# Altium PCB ARES_R06_Power.PcbDoc (part 1 of 4) (continued)
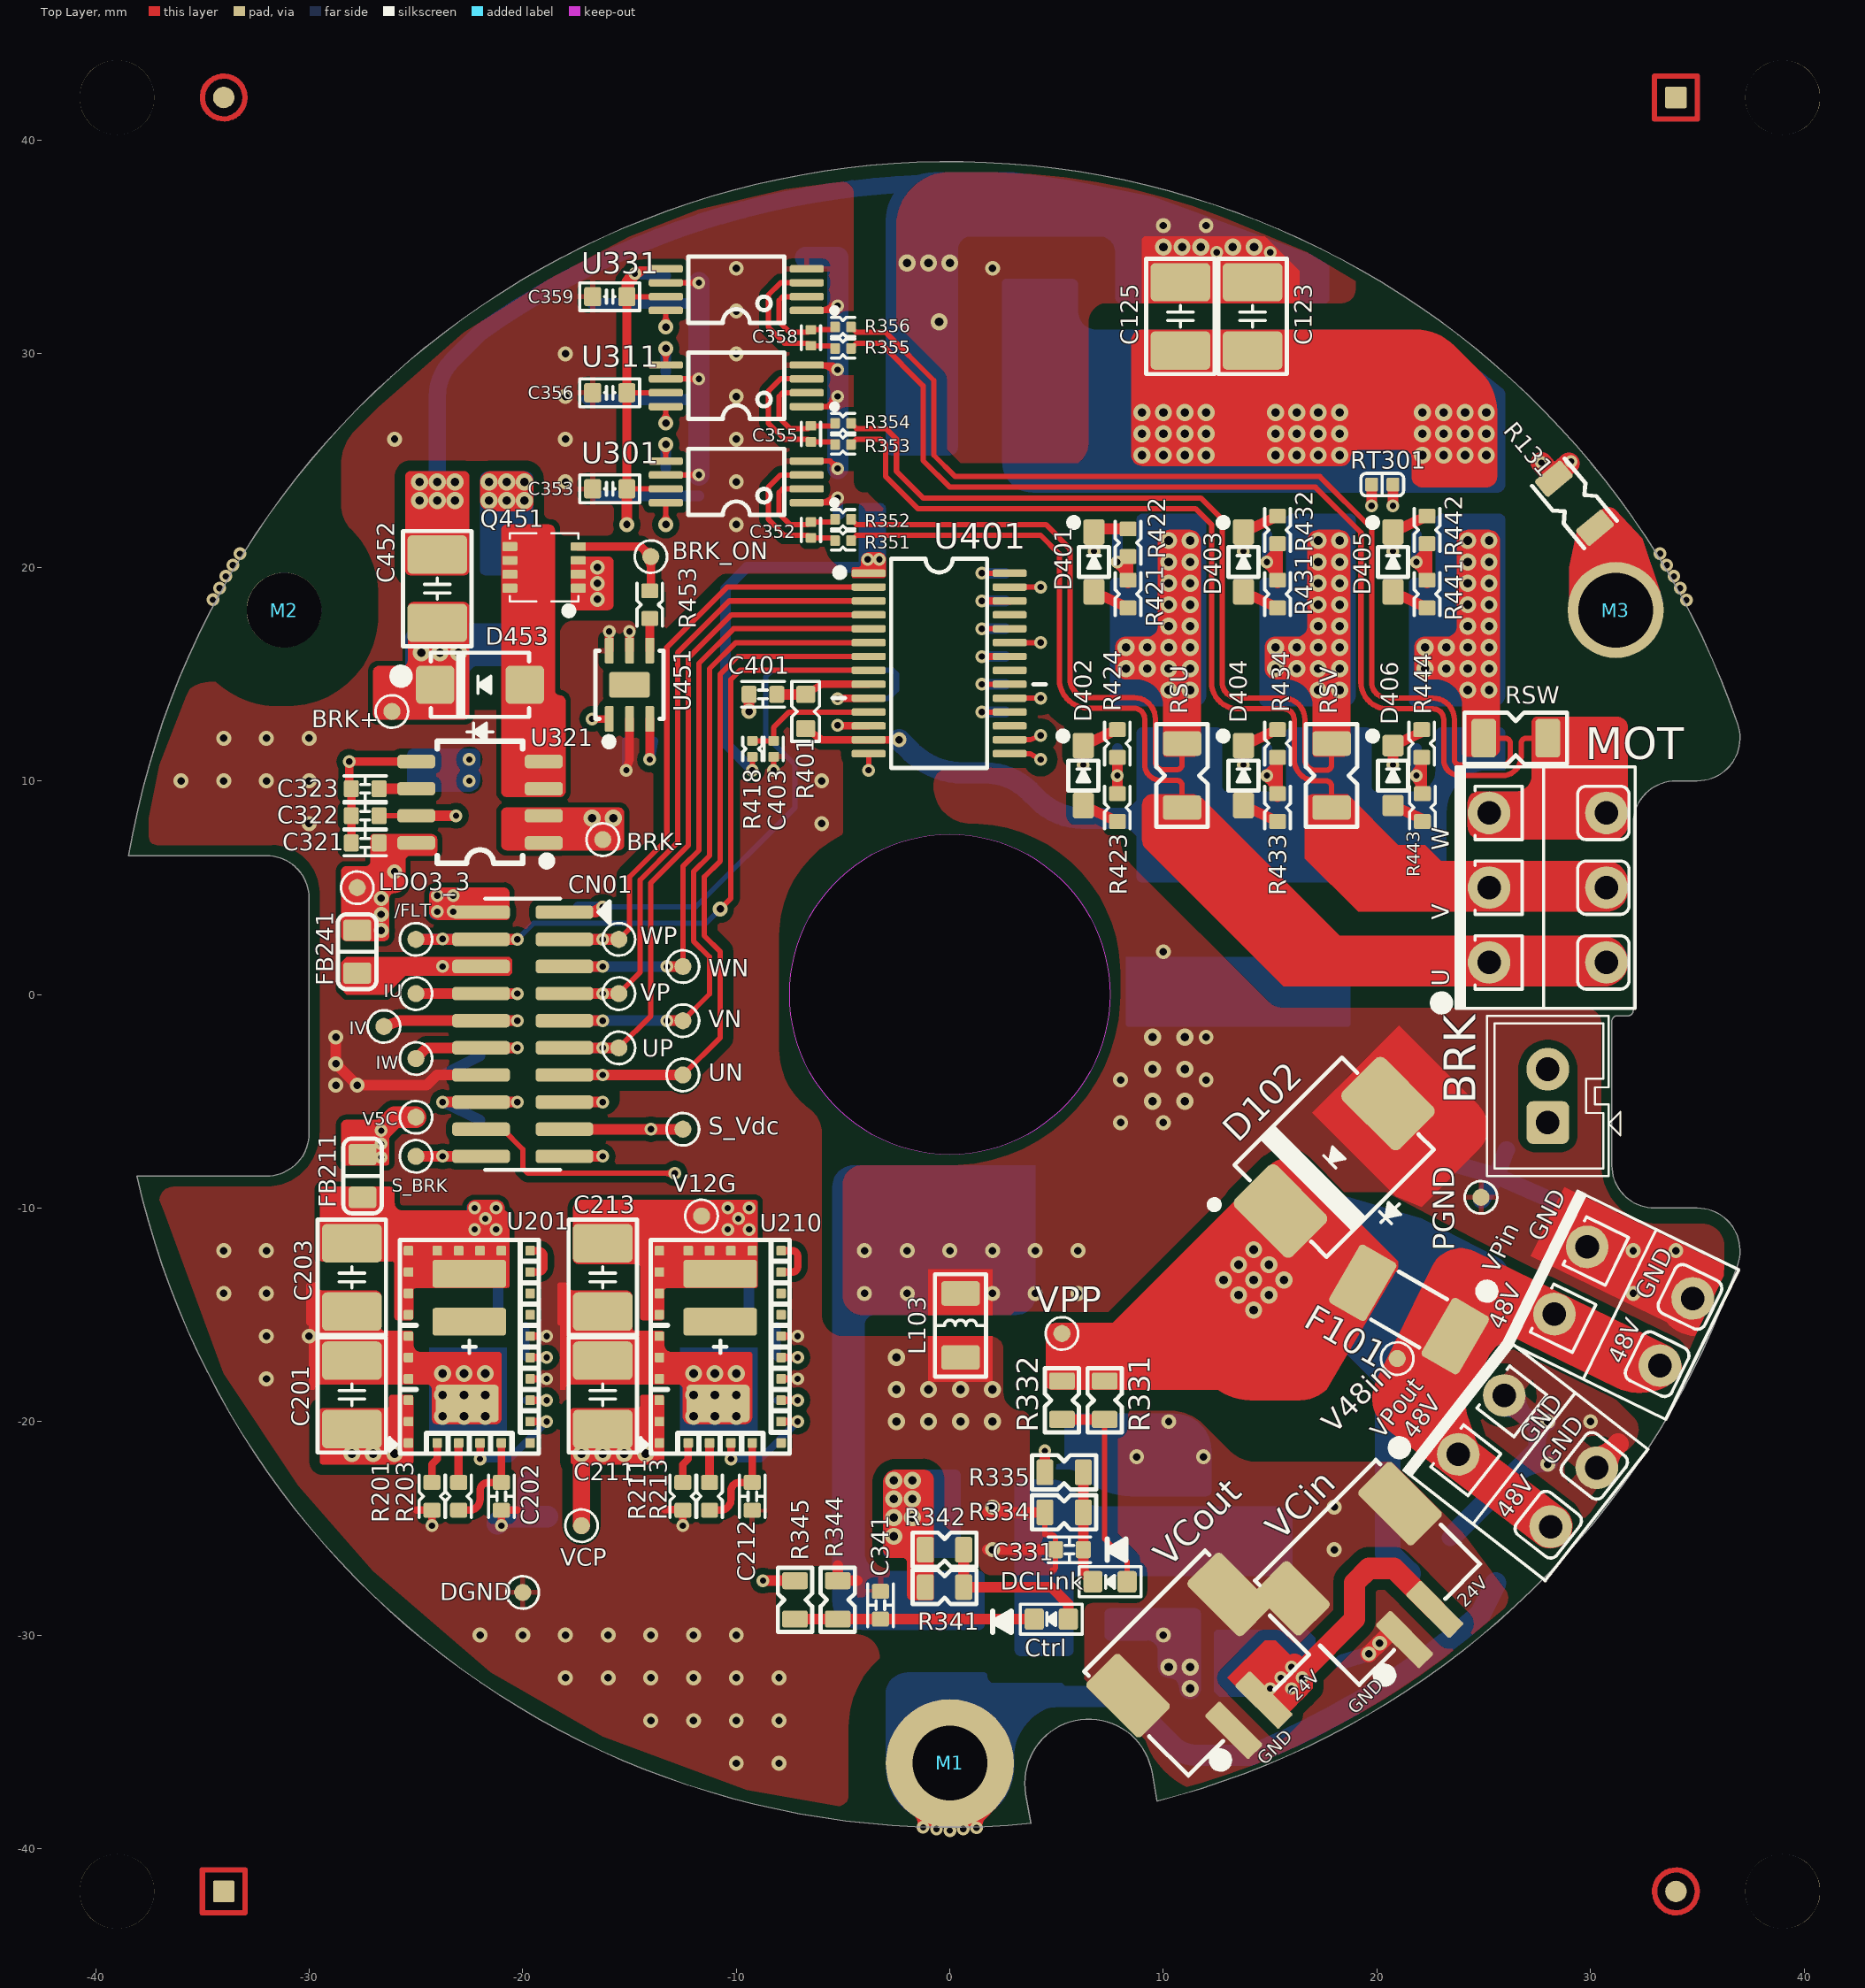
[diagram p0: Top Layer view]
## Classes and differential pairs (continued)
net class R131_Nets: FG1 PGND
net class R201_Nets: DGND NetR201_1
net class R202_Nets: DGND NetR202_1
net class R203_Nets: NetC202_1 NetR203_2
net class R204_Nets: NetC203_2 NetR204_2
net class R205_Nets: DGND NetR204_2
net class R211_Nets: DGND NetR211_1
net class R212_Nets: DGND NetR212_1
net class R213_Nets: NetC212_1 NetR213_2
net class R214_Nets: +12V NetR214_2
net class R215_Nets: DGND NetR214_2
net class R331_Nets: NetDCLink_1 V48P
net class R332_Nets: NetDCLink_1 V48P
net class R334_Nets: DGND NetC331_1
net class R335_Nets: AI_Vdc NetC331_1
net class R341_Nets: NetCtrl_1 V24C
net class R342_Nets: NetCtrl_1 V24C
net class R344_Nets: DGND NetC341_1
net class R345_Nets: AI_Vcon NetC341_1
net class R351_Nets: MOT_U NetC352_2
net class R352_Nets: NetC352_1 PH_U
net class R353_Nets: MOT_V NetC355_2
net class R354_Nets: NetC355_1 PH_V
net class R355_Nets: MOT_W NetC358_2
net class R356_Nets: NetC358_1 PH_W
net class R401_Nets: DRV_COM NetC401_2
net class R402_Nets: /FLT V3_3D
net class R411_Nets: DGND PWM_EN
net class R412_Nets: DGND PWM_UP
net class R413_Nets: DGND PWM_UN
net class R414_Nets: DGND PWM_VP
net class R415_Nets: DGND PWM_VN
net class R416_Nets: DGND PWM_WP
net class R417_Nets: DGND PWM_WN
net class R418_Nets: +12V RCIN
net class R421_Nets: NetD401_1 NetQ421_4
net class R422_Nets: NetQ421_4 PWM_UPout
net class R423_Nets: NetD402_1 NetQ422_4
net class R424_Nets: NetQ422_4 PWM_UNout
net class R431_Nets: NetD403_1 NetQ431_4
net class R432_Nets: NetQ431_4 PWM_VPout
net class R433_Nets: NetD404_1 NetQ432_4
net class R434_Nets: NetQ432_4 PWM_VNout
net class R441_Nets: NetD405_1 NetQ441_4
net class R442_Nets: NetQ441_4 PWM_WPout
net class R443_Nets: NetD406_1 NetQ442_4
net class R444_Nets: NetQ442_4 PWM_WNout
net class R453_Nets: NetBRK_ON_1 NetR453_2
net class R461_Nets: DRV_COM PGND
net class R462_Nets: DRV_COM PGND
net class RSU_Nets: MOT_U PH_U
net class RSV_Nets: MOT_V PH_V
net class RSW_Nets: MOT_W PH_W
net class RT301_Nets: AGND AI_MOS
net class S_BRK_Nets: AI_BRK_CUR
net class S_Vdc_Nets: AI_Vdc
net class U201_Nets: DGND NetC202_1 NetC203_2 NetR201_1 NetR202_1 NetR203_2 NetR204_2 NetU201_4 NetU201_6 NetU201_12 NetU201_13 NetU201_14 NetU201_EP3 V24C
net class U210_Nets: +12V DGND NetC212_1 NetR211_1 NetR212_1 NetR213_2 NetR214_2 NetU210_4 NetU210_6 NetU210_12 NetU210_13 NetU210_14 NetU210_EP3 V24C
net class U301_Nets: +5V DGND IU NetC352_1 NetC352_2
net class U311_Nets: +5V DGND IV NetC355_1 NetC355_2
net class U321_Nets: +3.3V AGND AI_BRK_CUR BRK- BRKOut NetC323_1
net class U331_Nets: +5V DGND IW NetC358_1 NetC358_2
net class U451_Nets: +5V DGND NetR453_2 PWM_BRK
net class UN_Nets: PWM_UN
net class UP_Nets: PWM_UP
net class V5C_Nets: +5V
net class V12G_Nets: +12V
net class V48in_Nets: V48in
net class VCin_Nets: DGND V24in
net class VCout_Nets: DGND V24in
net class VCP_Nets: V24C
net class VN_Nets: PWM_VN
net class VP_Nets: PWM_VP
net class VPin_Nets: PGND V48in
net class VPout_Nets: PGND V48in
net class VPP_Nets: V48P
net class WN_Nets: PWM_WN
net class WP_Nets: PWM_WP
net class M3_Nets: FG1

## Components (designator, comment, footprint, x,y, rotation, side; value= is the part's Value field where it differs from the comment)
/FLT "TP" TP-SMD -25,2.58 r180 top
BRK "DF1B-2P" DF1B-2P-2.5DSA 28,-4.75 r90 top
BRK+ "TP" TP-SMD -26.125,13.25 r270 top
BRK- "TP" TP-SMD -16.25,7.25 r270 top
BRK_ON "TP" TP-SMD -14,20.5 r180 top
C103 "4.7uF(32)/100V" C-3216S#1 22.65,-28.325 r135 bottom
C104 "4.7uF(32)/100V" C-3216S#1 24.75,-26.25 r315 bottom
C105 "10nF(57)" C-5750 24.5,-10.75 r244 bottom
C113 "4.7uF(32)/100V" C-3216S#2 4.25,-31.25 r90 bottom
C114 "4.7uF(32)/100V" C-3216S#2 8.25,-31.25 r270 bottom
C115 "10nF(32)" C-3216S#1 7.25,-23 r270 bottom
C121 "10uF/100V(3225)" C-3225 12.5,31.75 r90 bottom
C122 "10uF/100V(3225)" C-3225 9.125,31.75 r90 bottom
C123 "10uF/100V(3225)" C-3225 14.175,31.75 r90 top
C124 "10uF/100V(3225)" C-3225 15.875,31.75 r90 bottom
C125 "10uF/100V(3225)" C-3225 10.8,31.75 r90 top
C131 "10nF(32)" C-3216S#1 29.25,23 r130 bottom
C131A "10nF(32)" C-3216S#1 -1.25,-30.75 r90 bottom
C201 "2.2uF/100V(3225)" C-3225 -28,-18.75 r270 top
C202 "1uF(16)" C-1608S -21,-23.5 r270 top
C203 "22uF/10V(3225)" C-3225 -28,-13.25 r90 top
C211 "1uF/100V(3225)" C-3225 -16.25,-18.75 r270 top
C212 "1uF(16)" C-1608S -9.25,-23.5 r270 top
C213 "10uF/25V(3225)" C-3225 -16.25,-13.25 r90 top
C321 "100nF(16)" C-1608S -27.375,7.095 r0 top
C322 "100nF(16)" C-1608S -27.375,8.365 r180 top
C323 "10n(16)" C-1608S -27.375,9.635 r180 top
C331 "1uF(16)" C-1608S 5.6,-26 r180 top
C341 "1uF(16)" C-1608S -3.25,-28.6 r90 top
C351 "100nF(16)" C-1608S -13.3,24 r270 bottom
C352 "330pF(10)" C-1005S -6.5,21.75 r270 top
C353 "100nF(16)" C-1608 -15.925,23.675 r180 top
C354 "100nF(16)" C-1608S -13.3,28.5 r270 bottom
C355 "330pF(10)" C-1005S -6.5,26.25 r270 top
C356 "100nF(16)" C-1608 -15.925,28.175 r180 top
C357 "100nF(16)" C-1608S -13.3,33 r270 bottom
C358 "330pF(10)" C-1005S -6.5,30.75 r270 top
C359 "100nF(16)" C-1608 -15.925,32.675 r180 top
C401 "1nF(16)" C-1608S -8.75,14.05 r0 top
C402 "10uF(16)" C-1608S -4.5,21.25 r180 bottom
C403 "2.2nF(10)" C-1005S -8.25,11.5 r90 top
C404 "1nF(16)" C-1608S -22.625,1.95 r90 bottom
C405 "10uF(16)" C-1608S -4.5,22.5 r180 bottom
C421 "4.7uF(16)" C-1608S 2.6,13.875 r270 bottom
C431 "4.7uF(16)" C-1608S 2.6,16.475 r90 bottom
C441 "4.7uF(16)" C-1608S 2.6,19.075 r90 bottom
C451 "1uF(16)" C-1608S -14.5,11.875 r180 bottom
C452 "3.3uF/100V(3225)" C-3225 -24,19 r270 top
C453 "22uF/63V/ZC_Series(6.7D_7.7L)" EC-F80 1.5,25.875 r180 bottom
C454 "22uF/63V/ZC_Series(6.7D_7.7L)" EC-F80 1.5,32.875 r180 bottom
CN01 "C21272-S022-20G" PH08SMD-D20P_PWR -20,-1.865 r270 top
Ctrl "BL-HG036A-AV-TRB(16)" LED-1608-G 4.75,-29.25 r180 top
D102 "5.0SMDJ70CA/LittelFuse" DO-214AB 18,-7.625 r225 top
D103 "SS26T3G" DO-214AA 1.75,-24 r180 bottom value=SKIP
D104 "SMAJ33A/LittelFuse" SMA 10.25,-23.75 r270 bottom
D401 "PMEG6010CEJ" SOD-323#1 6.75,20.25 r90 top
D402 "PMEG6010CEJ" SOD-323#1 6.25,10.25 r90 top
D403 "PMEG6010CEJ" SOD-323#1 13.75,20.25 r90 top
D404 "PMEG6010CEJ" SOD-323#1 13.75,10.25 r90 top
D405 "PMEG6010CEJ" SOD-323#1 20.75,20.25 r90 top
D406 "PMEG6010CEJ" SOD-323#2 20.75,10.25 r90 top
D451 "US1M" SMA -21,18.5 r270 bottom
D453 "US1M" SMA -22,14.5 r180 top
DCLink "BLUE LED(16)" LED-1608-B 7.5,-27.5 r180 top
DGND "TP" TP-SMD -20,-28 r270 top
F101 "0448.010/85V, 10A/LittelFuse" 0448.005 21.5,-14.75 r150 top
F111 "0448.01.5/85V, 1.5A/LittelFuse" 0448.005 14,-28.5 r90 bottom
F141 "C1F1.5" C-3216 -24.25,12 r90 bottom
FB211 "CP201209T-151Y" L-2012 -27.5,-8.5 r90 top
FB241 "CP201209T-151Y" L-2012 -27.75,2 r90 top
IU "TP" TP-SMD -25,0.04 r180 top
IV "TP" TP-SMD -26.5,-1.5 r0 top
IW "TP" TP-SMD -25,-3 r180 top
L102 "CP321611T-301Y" L-3216 -22,-4.375 r90 bottom
L103 "CP321611T-301Y" L-3216 0.5,-15.5 r270 top
LDO3_3 "TP" TP-SMD -27.75,5 r90 top
M1 "TH3.5" MH-3.5MM#1 0,-36 r0 top
M2 "TH3.5" MH-3.5MM#2 -31.177,18 r0 top (schematic designator M1)
M3 "TH3.5" MH-3.5MM#3 31.177,18 r0 top (schematic designator M1)
MOT "1822325" 1823191-3P 28,5 r90 top
PGND "TP" TP-SMD 24.875,-9.5 r270 top
Q421 "BSC026N08NS5" "PG-TDSON-8 FL" 9.75,24.5 r180 bottom
Q422 "BSC026N08NS5" "PG-TDSON-8 FL" 9.75,14.5 r180 bottom
Q431 "BSC026N08NS5" "PG-TDSON-8 FL" 16.75,24.5 r180 bottom
Q432 "BSC026N08NS5" "PG-TDSON-8 FL" 16.75,14.5 r180 bottom
Q441 "BSC026N08NS5" "PG-TDSON-8 FL" 23.75,24.5 r180 bottom
Q442 "BSC026N08NS5" "PG-TDSON-8 FL" 23.75,14.5 r180 bottom
Q451 "NTTFS5826NL" WDFN-8 -19,20 r90 top
R131 "DNI(32)" R-3216S 29.25,23 r130 top
R131A "DNI(32)" R-3216S 0.75,-30.75 r90 bottom
R201 "698kF(16)" R-1608S -24.25,-23.5 r270 top
R202 "21.5k(16)" R-1608S -20.5,-19 r180 bottom
R203 "10k(16)" R-1608S -23,-23.5 r90 top
R204 "75kF(16)" R-1608S -20.5,-15.5 r0 bottom
R205 "16.2kF(16)" R-1608S -20.5,-17 r180 bottom
R211 "200kF(16)" R-1608S -12.5,-23.5 r270 top
R212 "8.06k(16)" R-1608S -8.75,-19 r180 bottom
R213 "10k(16)" R-1608S -11.25,-23.5 r90 top
R214 "196kF(16)" R-1608S -8.75,-15.5 r0 bottom
R215 "15.8kF(16)" R-1608S -8.75,-17 r180 bottom
R331 "80K(20)" R-2012S 7.25,-19 r270 top
R332 "80K(20)" R-2012S 5.25,-19 r270 top
R334 "800R(20)" R-2012S 5.35,-24.25 r180 top
R335 "330R(20)" R-2012S 5.35,-22.375 r180 top
R341 "26K(20)" R-2012S -0.25,-27.75 r0 top
R342 "26K(20)" R-2012S -0.25,-26 r0 top
R344 "260R(20)" R-2012S -5.25,-28.35 r90 top
R345 "330R(20)" R-2012S -7.25,-28.35 r90 top
R351 "12R(10)" R-1005S -5,21.25 r180 top
R352 "12R(10)" R-1005S -5,22.25 r180 top
R353 "12R(10)" R-1005S -5,25.75 r180 top
R354 "12R(10)" R-1005S -5,26.75 r180 top
R355 "12R(10)" R-1005S -5,30.25 r180 top
R356 "12R(10)" R-1005S -5,31.25 r180 top
R401 "1k(16)" R-1608 -6.75,13.25 r90 top
R402 "10k(16)" R-1608S -24.5,1.955 r90 bottom
R411 "3.3k(16)" R-1608S -18.05,4.1 r180 bottom
R412 "2k(16)" R-1608S -18.05,-2.5 r0 bottom
R413 "2k(16)" R-1608S -18.05,-3.77 r0 bottom
R414 "2k(16)" R-1608S -18.05,0.04 r0 bottom
R415 "2k(16)" R-1608S -18.05,-1.23 r0 bottom
R416 "2k(16)" R-1608S -18.05,2.58 r180 bottom
R417 "2k(16)" R-1608S -18.05,1.31 r180 bottom
R418 "2M(10)" R-1005S -9.25,11.5 r270 top
R421 "10R(16)" R-1608S 8.345,18.75 r270 top
R422 "100R(16)" R-1608S 8.345,21.15 r90 top
R423 "10R(16)" R-1608S 7.845,8.75 r270 top
R424 "100R(16)" R-1608S 7.845,11.75 r90 top
R431 "10R(16)" R-1608S 15.345,18.75 r270 top
R432 "100R(16)" R-1608S 15.345,21.75 r90 top
R433 "10R(16)" R-1608S 15.345,8.75 r270 top
R434 "100R(16)" R-1608S 15.345,11.75 r90 top
R441 "10R(16)" R-1608S 22.345,18.75 r270 top
R442 "100R(16)" R-1608S 22.345,21.75 r90 top
R443 "10R(16)" R-1608S 22.125,8.75 r270 top
R444 "100R(16)" R-1608S 22.095,11.75 r90 top
R453 "10R(16)" R-1608S -14.05,18.25 r270 top
R461 "0R02/3W(6432)" R-6432 16.5,3.25 r90 bottom
R462 "0R02/3W(6432)" R-6432 10.5,3.25 r90 bottom
RSU "PMR18EZPFV3L00(32)" R-3216 10.875,10.25 r90 top
RSV "PMR18EZPFV3L00(32)" R-3216 17.875,10.25 r90 top
RSW "PMR18EZPFV3L00(32)" R-3216 26.5,12 r180 top
RT301 "NTCG103JF103FT1" L-1005 20.25,23.875 r0 top
S_BRK "TP" TP-SMD -25,-7.58 r180 top
S_Vdc "TP" TP-SMD -12.5,-6.31 r180 top
U201 "MAXM17575ALI#" LGA28-0.5MM-10X6.5_3.45 -22.5,-16.5 r90 top
U210 "MAXM17575ALI#" LGA28-0.5MM-10X6.5_3.45 -10.75,-16.5 r90 top
U301 "INA240A1PWR" TSSOP-8 -10,24 r90 top
U311 "INA240A1PWR" TSSOP-8 -10,28.5 r90 top
U321 "ACS725LLCTR-10AU-T" SO-8 -22,9 r90 top
U331 "INA240A1PWR" TSSOP-8 -10,33 r90 top
U401 "6EDL04N02PR" TSSOP-28 -0.5,15.5 r270 top
U451 "UCC27512DRS" WSON-6 -15,14.5 r0 top
UN "TP" TP-SMD -12.5,-3.77 r90 top
UP "TP" TP-SMD -15.5,-2.5 r90 top
V5C "TP" TP-SMD -25,-5.75 r270 top
V12G "TP" TP-SMD -11.625,-10.375 r270 top
V48in "TP" TP-SMD 20.95,-17.05 r180 top
VCin "MOLEX_502443-0260" MOLEX_502443-0260#1 22,-29.5 r45 top
VCout "MOLEX_502443-0260" MOLEX_502443-0260#2 14,-33.75 r45 top
VCP "TP" TP-SMD -17.25,-24.875 r270 top
VN "TP" TP-SMD -12.5,-1.23 r90 top
VP "TP" TP-SMD -15.5,0.04 r90 top
VPin "1823191" 1823191-2P 31.55,-14.6 r64 top
VPout "1823191" 1823191-2P 27.05,-21.85 r52 top
VPP "TP" TP-SMD 5.25,-15.875 r180 top
WN "TP" TP-SMD -12.5,1.31 r90 top
WP "TP" TP-SMD -15.5,2.58 r90 top

## Footprints (in the part's own frame and the unit in brackets; to place one, negate y for a bottom-side part, rotate by r counter-clockwise, add the part's x,y. Pads: shape width x height; smd on the part's side, far side on the other; paste and mask are expansions set on the pad)
0448.005 [mm]
  rrect20% 2x3.15 smd: 1(-2.5,0) 2(2.5,0)
  silkscreen extent -1.3,-1.3 1.3,1.3
1823191-2P [mm]
  round 2 hole 1.1: 1(-1.75,-2.75) 1(-1.75,2.75) 2(1.75,-2.75) 2(1.75,2.75)
  silkscreen extent -3.9,-4.1 3.9,4.3, body extent -3.75,-3.95 3.75,3.75, height 13.6
1823191-3P [mm]
  round 2 hole 1.1: 1(-3.5,-2.75) 1(-3.5,2.75) 2(0,2.75) 2(0,-2.75) 3(3.5,-2.75) 3(3.5,2.75)
  silkscreen extent -5.65,-4.1 5.65,4.3, body extent -5.5,-3.95 5.5,3.75, height 13.6
C-1005S [mm] "0402 Chip Capacitor"
  rrect25% 0.45x0.5 smd: 1(-0.375,0) 2(0.375,0)
  silkscreen extent -0.55,-0.45 0.55,0.45, body extent -0.5,-0.25 0.5,0.25, height 0.5
C-1608 [mm] "0603 Chip Capacitor"
  rrect25% 0.8x0.9 smd: 1(-0.8,0) 2(0.8,0)
  Top Layer pour cut-out: -0.6,0.75 0.6,0.75 0.6,-0.75 -0.6,-0.75
  silkscreen extent -1.4,-0.65 1.4,0.65, body extent -0.8,-0.4 0.8,0.4, height 0.8
C-1608S [mm] "0603 Chip Capacitor"
  rrect25% 0.7x0.8 smd: 1(-0.65,0) 2(0.65,0)
  Top Layer pour cut-out: -0.6,0.7 0.6,0.7 0.6,-0.7 -0.6,-0.7
  silkscreen extent -1,-0.6 1,0.6, body extent -0.8,-0.4 0.8,0.4, height 0.8
C-3216 [mm] "1206 Chip Capacitor"
  rrect25% 1.15x1.8 smd: 1(-1.5,0) 2(1.5,0)
  Top Layer pour cut-out: -1.2,1.2 1.2,1.2 1.2,-1.2 -1.2,-1.2
  silkscreen extent -2.4,-1.2 2.4,1.2, body extent -1.6,-0.8 1.6,0.8, height 0.79
C-3216S#1 [mm] "1206 Chip Capacitor"
  rrect25% 1x1.6 smd: 1(-1.5,0) 2(1.5,0)
  Top Layer pour cut-out: -1.2,1.2 1.2,1.2 1.2,-1.2 -1.2,-1.2
  silkscreen extent -1.9,-1 1.9,1, body extent -1.6,-0.8 1.6,0.8, height 0.79
C-3216S#2 [mm]
  rrect25% 1x1.6 smd: 1(-1.5,0) 2(1.5,0)
  silkscreen extent -1.9,-1 1.9,1, body extent -1.6,-0.8 1.6,0.8, height 0.79
C-3225 [mm] "1210 Chip Capacitor"
  rrect25% 1.8x2.8 smd: 1(-1.6,0) 2(1.6,0)
  Top Layer pour cut-out: -1.2,1.7 1.2,1.7 1.2,-1.7 -1.2,-1.7
  silkscreen extent -2.7,-1.6 2.7,1.6, body extent -1.6,-1.25 1.6,1.25, height 0.77
C-5750 [mm] "2220 Chip Capacitor"
  rrect30% 2x5.2 smd: 1(-2.5,0) 2(2.5,0)
  silkscreen extent -3.8,-2.9 3.8,2.9, body extent -2.85,-2.5 2.85,2.5, height 2.5
DF1B-2P-2.5DSA [mm]
  rrect30% 2x2 hole 1.1: 1(-1.25,0)
  round 2 hole 1.1: 2(1.25,0)
  silkscreen extent -3.75,-3.4 3.75,2.85
DO-214AA [mil] "DO-214AA(SMB) (FS PKG Code P6)"
  rrect25% 85x100 smd: 1(-90,0) 2(90,0)
  Top Layer pour cut-out: -59.06,61.02 59.06,61.02 59.06,-61.02 -59.06,-61.02
  silkscreen extent -90,-75 90,118, body extent -106,-71 106,71, height 91
DO-214AB [mil] "DO-214AB(SMC) (FS PKG Code P7)"
  rrect25% 110x150 smd: 1(-140,0) 2(140,0)
  Top Layer pour cut-out: 55.89,86.61 102.36,86.61 102.36,-86.61 65.74,-86.61 55.89,-76.77
  silkscreen extent -140,-120 140,161, body extent -156,-116 156,116, height 91
EC-F80 [mm]
  rrect25% 3.5x1.2 smd: 1(-2.7,0) 2(2.7,0)
  Top Layer pour cut-out: -0.95,3.4 0.95,3.4 0.95,-3.4 -0.95,-3.4
  silkscreen extent -3.4,-3.4 3.4,3.4, body extent -3.8,-3.3 3.8,3.3, height 8
L-1005 [mm] "Chip Ferrite Bead, 2-Leads, Body 1.00x0.50mm, IPC Medium Density"
  rrect25% 0.6x0.65 smd: 1(-0.5,0) 2(0.5,0)
  Top Layer pour cut-out: -0.35,0.6 0.35,0.6 0.35,-0.6 -0.35,-0.6
  silkscreen extent -1,-0.53 1,0.52, body extent -0.5,-0.25 0.5,0.25, height 0.4
L-2012 [mm] "Chip Ferrite Bead, 2-Leads, Body 2.00x1.25mm, IPC Medium Density"
  rrect25% 1x1.3 smd: 1(-1,0) 2(1,0)
  Top Layer pour cut-out: -0.85,0.95 0.85,0.95 0.85,-0.95 -0.85,-0.95
  silkscreen extent -1.75,-0.9 1.75,0.9, body extent -1,-0.6 1,0.6, height 0.6
L-3216 [mm] "Chip Ferrite Bead, Body 3.2x1.6mm, IPC Medium Density"
  rrect25% 1.15x1.8 smd: 1(-1.5,0) 2(1.5,0)
  Top Layer pour cut-out: -1.35,1.2 1.35,1.2 1.35,-1.2 -1.35,-1.2
  silkscreen extent -2.4,-1.2 2.4,1.2, body extent -1.6,-0.8 1.6,0.8, height 0.65
LED-1608-B [mm] "Blue"
  rrect25% 0.9x1 smd: 1(-0.8,0) 2(0.8,0)
  Top Layer pour cut-out: -0.65,0.8 0.65,0.8 0.65,-0.8 -0.65,-0.8
  silkscreen extent -1.45,-0.7 1.45,0.7, body extent -0.8,-0.4 0.8,0.4, height 0.4
LED-1608-G [mm] "Green"
  rrect25% 0.9x1 smd: 1(-0.8,0) 2(0.8,0)
  Top Layer pour cut-out: -0.65,0.8 0.65,0.8 0.65,-0.8 -0.65,-0.8
  silkscreen extent -1.45,-0.7 1.45,0.7, body extent -0.8,-0.4 0.8,0.4, height 0.4
LGA28-0.5MM-10X6.5_3.45 [mm]
  rrect20% 0.45x0.45 smd: 1(-4.5,2.85) 2(-4.5,1.5) 3(-4.5,0.5) 4(-4.5,-0.5) 5(-4.5,-1.5) 6(-4.5,-2.85) 7(-3.5,-2.85) 8(-2.5,-2.85) 9(-1.5,-2.85) 10(-0.5,-2.85) 11(0.5,-2.85) 12(1.5,-2.85) 13(2.5,-2.85) 14(3.5,-2.85) 15(4.5,-2.85) 16(4.5,-1.5) 17(4.5,-0.5) 18(4.5,0.5) 19(4.5,1.5) 20(4.5,2.85) 21(3.5,2.85) 22(2.5,2.85) 23(1.5,2.85) 24(0.5,2.85) 25(-0.5,2.85) 26(-1.5,2.85) 27(-2.5,2.85) 28(-3.5,2.85)
  rrect20% 1.75x2.95 smd: EP1(-2.65,0.1)
  rrect20% 1.3x3.45 smd: EP2(3.425,0) EP3(1.175,0)
  Top Layer pour cut-out: -5,3.25 -5,-3.25 5,-3.25 5,3.25
  silkscreen extent -5,-3.25 5,3.73
MH-3.5MM#1 [mm]
  round 6 hole 3.5: 1(0,0)
  body extent -2.75,-2.75 2.75,2.75, height 1.96
MH-3.5MM#2 [mm]
  round 3.5 hole 3.5 unplated: 1(0,0)
  body extent -2.75,-2.75 2.75,2.75, height 1.96
MH-3.5MM#3 [mm]
  round 4.5 hole 3.5: 1(0,0)
  body extent -2.75,-2.75 2.75,2.75, height 1.96
MOLEX_502443-0260#1 [mm]
  rrect20% 1x2.9 smd: 1(-1,0) 2(1,0)
  rrect20% 2.2x3.6 smd: 3(3.35,4.65)
  rrect20% 2.2x3 smd: 4(-3.35,5.074)
  silkscreen extent -4,-0.9 4,6.9, body extent -4,-0.95 4,6.9, height 7.53
MOLEX_502443-0260#2 [mm]
  rrect20% 1x2.9 smd: 1(-1,0) 2(1,0)
  rrect20% 2.2x3.6 smd: 3(3.35,4.65) 4(-3.35,4.65)
  silkscreen extent -4,-0.81 4,6.9, body extent -4,-0.95 4,6.9, height 7.53
"PG-TDSON-8 FL" [mil] "OptiMOSTM Power-MOSFET"
  rrect50% 25x70 smd: 1(-75,-117.5) 1(-25,-117.5) 1(25,-117.5) 4(75,-117.5) 5(-75,117.5) 5(-25,117.5) 5(25,117.5) 5(75,117.5)
  rrect20% 125x39.37 smd: 1(-25,-98.41)
  rrect20% 175x157.48 smd: 5(0,39.37)
  silkscreen extent -108,-182 108,118, body extent -101,-118 101,118, height 43
PH08SMD-D20P_PWR [mm] "1.27mm pitch SMD 2row pin header"
  rrect50% 0.635x2.7 smd: 1(-5.715,1.95) 2(-5.715,-1.95) 3(-4.445,1.95) 4(-4.445,-1.95) 5(-3.175,1.95) 6(-3.175,-1.95) 7(-1.905,1.95) 8(-1.905,-1.95) 9(-0.635,1.95) 10(-0.635,-1.95) 11(0.635,1.95) 12(0.635,-1.95) 13(1.905,1.95) 14(1.905,-1.95) 15(3.175,1.95) 16(3.175,-1.95) 17(4.445,1.95) 18(4.445,-1.95) 19(5.715,1.95) 20(5.715,-1.95)
  silkscreen extent -6.35,-1.75 6.35,4.06, body extent -6.35,-1.75 6.35,1.75, height 2.2
R-1005S [mm] "0402 Chip Resistor"
  rrect25% 0.45x0.5 smd: 1(-0.375,0) 2(0.375,0)
  silkscreen extent -0.55,-0.45 0.55,0.45, body extent -0.5,-0.25 0.5,0.25, height 0.4
R-1608 [mm] "0603 Chip Resistor"
  rrect25% 0.8x0.9 smd: 1(-0.8,0) 2(0.8,0)
  Top Layer pour cut-out: -0.6,0.75 0.6,0.75 0.6,-0.75 -0.6,-0.75
  silkscreen extent -1.4,-0.65 1.4,0.65, body extent -0.8,-0.4 0.8,0.4, height 0.55
R-1608S [mm] "0603 Chip Resistor"
  rrect25% 0.7x0.8 smd: 1(-0.65,0) 2(0.65,0)
  Top Layer pour cut-out: -0.6,0.75 0.6,0.75 0.6,-0.75 -0.6,-0.75
  silkscreen extent -1,-0.6 1,0.6, body extent -0.8,-0.4 0.8,0.4, height 0.55
R-2012S [mm] "0805 Chip Resistor"
  rrect25% 0.8x1.2 smd: 1(-0.9,0) 2(0.9,0)
  Top Layer pour cut-out: -0.8,0.9 0.8,0.9 0.8,-0.9 -0.8,-0.9
  silkscreen extent -1.5,-0.8 1.5,0.8, body extent -1,-0.6 1,0.6, height 0.6
R-3216 [mm] "1206 Chip Resistor"
  rrect25% 1.15x1.8 smd: 1(-1.5,0) 2(1.5,0)
  Top Layer pour cut-out: -1.2,1.2 1.2,1.2 1.2,-1.2 -1.2,-1.2
  silkscreen extent -2.4,-1.2 2.4,1.2, body extent -1.6,-0.8 1.6,0.8, height 0.65
R-3216S [mm] "1206 Chip Resistor"
  rrect25% 1x1.6 smd: 1(-1.5,0) 2(1.5,0)
  Top Layer pour cut-out: -1.2,1.2 1.2,1.2 1.2,-1.2 -1.2,-1.2
  silkscreen extent -1.9,-1 1.9,1, body extent -1.6,-0.8 1.6,0.8, height 0.65
R-6432 [mm] "2512 Chip Resistor"
  rrect25% 2x3.2 smd: 1(-3.1,0) 2(3.1,0)
  Top Layer pour cut-out: 0.1,2.05 2.5,2.05 2.5,-2.05 0.177,-2.05 -0.25,-1.623 -0.25,1.7
  silkscreen extent -3.25,-1.87 3.25,1.87, body extent -3.2,-1.6 3.2,1.6, height 0.76
SMA [mm] "DO-214AC"
  rrect25% 1.8x1.8 smd: 1(-2.1,0) 2(2.1,0)
  Top Layer pour cut-out: -1.5,1.2 1.5,1.2 1.5,-1.2 -1.5,-1.2
  silkscreen extent -2.3,-1.5 2.3,1.5, body extent -2.6,-1.3 2.6,1.3, height 2.42
SO-8 [mil] "SO-8 package, 1.27mm pitch, 0.150\" Narrow"
  rrect50% 25x70 smd: 1(-75,-117.5) 2(-25,-117.5) 3(25,-117.5) 4(75,-117.5) 5(75,117.5) 6(25,117.5) 7(-25,117.5) 8(-75,117.5)
  silkscreen extent -116,-131 113,79, body extent -96,-118 96,118, height 69
SOD-323#1 [mm] "1.7X1.25mm Body Diode Package"
  rrect25% 1.2x1 smd: 1(-1.4,0) 2(1.4,0)
  Top Layer pour cut-out: -1.1,0.7 1.1,0.7 1.1,-0.7 -1.1,-0.7
  silkscreen extent -0.7,-0.7 0.7,0.7, body extent -1.3,-0.67 1.3,0.67, height 1.1
SOD-323#2 [mm] "1.7X1.25mm Body Diode Package"
  rrect25% 1x1 smd: 1(-1.4,0) 2(1.4,0)
  Top Layer pour cut-out: -1.1,0.7 1.1,0.7 1.1,-0.7 -1.1,-0.7
  silkscreen extent -0.7,-0.7 0.7,0.7, body extent -1.3,-0.67 1.3,0.67, height 1.1
TP-SMD [mm]
  round 0.8 smd: 1(0,0)
  silkscreen extent -0.76,-0.76 0.76,0.76
TSSOP-8 [mm]
  rrect50% 0.35x1.6 smd: 1(-0.975,-3.3) 2(-0.325,-3.3) 3(0.325,-3.3) 4(0.975,-3.3) 5(0.975,3.3) 6(0.325,3.3) 7(-0.325,3.3) 8(-0.975,3.3)
  silkscreen extent -1.55,-4.73 1.55,2.25, body extent -1.5,-3.14 1.5,3.14, height 1.09
TSSOP-28 [mm]
  rrect50% 0.35x1.6 smd: 1(-4.225,-3.3) 2(-3.575,-3.3) 3(-2.925,-3.3) 4(-2.275,-3.3) 5(-1.625,-3.3) 6(-0.975,-3.3) 7(-0.325,-3.3) 8(0.325,-3.3) 9(0.975,-3.3) 10(1.625,-3.3) 11(2.275,-3.3) 12(2.925,-3.3) 13(3.575,-3.3) 14(4.225,-3.3) 15(4.225,3.3) 16(3.575,3.3) 17(2.925,3.3) 18(2.275,3.3) 19(1.625,3.3) 20(0.975,3.3) 21(0.325,3.3) 22(-0.325,3.3) 23(-0.975,3.3) 24(-1.625,3.3) 25(-2.275,3.3) 26(-2.925,3.3) 27(-3.575,3.3) 28(-4.225,3.3)
  silkscreen extent -4.9,-5 4.9,5, body extent -4.85,-3.2 4.85,3.2, height 0.97
WDFN-8 [mm]
  rrect20% 0.42x0.7 smd: 1(-0.975,-1.6) 2(-0.325,-1.6) 5(0.975,1.6) 6(0.325,1.6) 7(-0.325,1.6) 8(-0.975,1.6)
  rrect20% 0.4x0.7 smd: 3(0.325,-1.6) 4(0.975,-1.6)
  Top Layer region: -1.175,0.2 -1.85,0.2 -1.85,-0.2 -1.175,-0.2 -1.175,-0.45 1.175,-0.45 1.175,-0.2 1.85,-0.2 1.85,0.2 1.175,0.2 1.175,1.25 -1.175,1.25
  silkscreen extent -2.2,-1.6 1.6,1.6
WSON-6 [mm]
  rrect20% 0.4x1.2 smd: 1(-0.95,-1.6) 2(0,-1.6) 3(0.95,-1.6) 4(0.95,1.6) 5(0,1.6) 6(-0.95,1.6)
  rrect20% 1.9x1.2 smd: 7(0,0)
  silkscreen extent -1.6,-2.9 1.6,1.6, body extent -1.5,-1.51 1.5,1.51, height 0.75

## Part data
/FLT BRK+ BRK- DGND IU IV IW PGND S_BRK S_Vdc V48in VCP VPP: library part 2H_TestPointThroughHole
BRK: library part Component_1
BRK_ON LDO3_3 UN UP V5C V12G VN VP WN WP: library part 2H_TestPointThroughHole, Mfr="Keystone Electronics", MfrNum=5002, PartName=TestPointThroughHole, TIIntPartnumber=2H0026, Cost10K=0.10, Cost100=0.163, DescriptiveText="Testpoint Miniature Through Hole", Vendor=Digikey
C103 C104 C105 C113 C114 C115 C121 C122 C123 C124 C125 C131 C131A C201 C202 C203 C211 C212 C213 C321 C322 C323 C331 C341 C351 C352 C353 C354 C355 C356 C357 C358 C359 C401 C402 C403 C404 C405 C421 C431 C441 C452: library part CAP_NP
C451: library part Cap_NP
C453 C454: library part CAP_Pol
CN01: library part "Header 10X2", "Header, 10-Pin, Dual row", LatestRevisionDate=17-Jul-2002, LatestRevisionNote="Re-released for DXP Platform.", Publisher="Altium Limited"
Ctrl DCLink: library part LED
D102 D104: library part Diode_TVS
D103: "DIODE SCHOTTKY 60V 2A SMB", 3DS Part Number=417-00001, Capacitance=SKIP, Dc Blocking Voltage=60V, Digikey Part Number=SS26T3GOSCT-ND, Forward Current=2A, Manufacturer="ON Semi", Max Junction Temp=+150°C, Max Surge Forward Current=40A, Mouser Part Number=863-SS26T3G, PACKAGE=403A-03, Peak Reverse Current=0.2mA, Temperature="-55°C to +150°C", Temperature Range Low=-55°C, ComponentLink1Description=Upverter, ComponentLink1URL=https://upverter.com/upn/revision/e2f486cca74213e5/, ComponentLink2Description=Datasheet, ComponentLink2URL=http://www.onsemi.cn/PowerSolutions/document/SS26-D.PDF, Datasheet Path=datasheets/Diode_ON_Semi_SS26T3G_eec.pdf, Datasheet Path1=datasheets/Diode_ON_Semi_SS26T3G_eec.pdf, Digikey Description="DIODE SCHOTTKY 60V 2A SMB", Footprint Url=http://www.onsemi.com/pub/Collateral/403A-03.PDF, Height=2.47mm, helpURL=https://upverter.com/upn/revision/e2f486cca74213e5/, Inductance=SKIP, Lead Free=yes, Library Path1=parts/Diode_ON_Semi_SS26T3G_eec.SchLib, Library Ref1=SS26T3G, Max Repetitive Reverse Voltage=60V, Mouser Description="SMB Power Surface Mount Package employing the Schottky Barrier principle in a metal-to-silicon power rectifier.", PART NUMBER=SS26T3G, Price=0.196415605484, Resistance=SKIP, RoHS=TRUE, Standoff Height=0.05mm, Supplier 1=Digi-Key, Supplier 2=Mouser, Supplier Part Number 1=SS26T3GOSCT-ND, Supplier Part Number 2=863-SS26T3G, Temperature Range High=+150°C, Verification Version=0.0.0.1, VOLTAGE=SKIP, Working Reverse Voltage=60V
D401 D402 D403 D404 D405 D406: library part Diode_schottky
D451 D453: library part Diode
F101 F111 F141: library part Fuse
FB211 FB241: library part FBead
L102 L103: library part Inductor, "Inductor", Code_IEC=1005, Code_JEITA=0402, LatestRevisionDate=29-May-2009, LatestRevisionNote="IPC-7351 Footprint Added.", PackageDescription="Chip Inductor", PackageReference=0402-A, Published=8-Jun-2000, Publisher="Altium Limited"
M1 M2 M3: library part ThroughHole
MOT: library part Connector_1x3
Q421 Q422 Q431 Q432 Q441 Q442: library part "MOSFET N"
R131 R131A R201 R202 R203 R204 R205 R211 R212 R213 R214 R215 R331 R332 R334 R335 R341 R342 R344 R345 R351 R352 R353 R354 R355 R356 R401 R402 R411 R412 R413 R414 R415 R416 R417 R418 R421 R422 R423 R424 R431 R432 R433 R434 R441 R442 R443 R444 R453 R461 R462 RSU RSV RSW: library part Res
RT301: library part Res_Thermal
U301 U311 U331: "IC CURR SENSE 1 CIRCUIT 8TSSOP", Ambient Temperature Range High=+125°C, Ambient Temperature Range Low=-40°C, Digikey Part Number=296-45088-1-ND, Input Bias Current=90uA, Input Offset Voltage=0.005mV, Manufacturer="Texas Instruments", Max Junction Temp=+150°C, Max Supply Voltage=5.5V, Min Supply Voltage=2.7V, Mouser Part Number=595-INA240A1PWR, Nominal Supply Current=1.8mA, PACKAGE=PW0008A, Temperature="-40°C to +125°C", Voltage Gain=0.02V/mV, Automotive=No, Bandwidth=400kHz, ComponentLink1Description=Upverter, ComponentLink1URL=https://upverter.com/part/id/d93607e109c824dd/, ComponentLink2Description=Datasheet, ComponentLink2URL=http://www.ti.com/lit/ds/symlink/ina240.pdf, Datasheet Path=datasheets/IC_Texas_Instruments_INA240A1PWR_eec.pdf, Digikey Description="IC CURR SENSE 1 CIRCUIT 8TSSOP", Height=1.2mm, helpURL=https://upverter.com/part/id/d93607e109c824dd/, Ipc Land Pattern Name=SOP65P300X120-8, Lead Free=Yes, Number of Channels=1, PART NUMBER=INA240A1PWR, RoHS=TRUE, Standoff Height=0.05mm, Supplier 1=Digi-Key, Supplier 2=Mouser, Supplier Part Number 1=296-45088-1-ND, Supplier Part Number 2=595-INA240A1PWR, Temperature Range High=+125°C, Temperature Range Low=-40°C, Verification Version=0.0.0.3
U321: library part ACS725LLCTR
VCin VCout VPin VPout: library part Connector_1x2

## Free pads (board coordinates)
  rrect10% 1x1 smd: 0(-34,-42) 0(34,42)
  rrect10% 1x1 smd far side: 0(-34,-42) 0(34,42)
  round 1 smd: 1(-34,42) 1(34,-42)
  round 1 smd far side: 1(-34,42) 1(34,-42)
  round 3.5 hole 3.5 unplated: H(-39,-42) H(-39,42) H(39,-42) H(39,42)

## Via types
v1: diameter 0.8, hole 0.4, Top Layer to Bottom Layer, 138 vias
v2: diameter 0.7, hole 0.35, Top Layer to Bottom Layer, tented both sides, 79 vias
v3: diameter 0.6, hole 0.3, Top Layer to Bottom Layer, 72 vias
v4: diameter 0.6, hole 0.3, Top Layer to Bottom Layer, tented both sides, 58 vias
v5: diameter 0.8, hole 0.4, Top Layer to Bottom Layer, tented both sides, 43 vias
v6: diameter 0.7, hole 0.35, Top Layer to Bottom Layer, 25 vias

## Nets (pads, with @x,y where several pads share a name; then routed paths per layer and width w, separated by ;. In a path a pad name is that pad's centre, name@x,y a point inside that pad or via, vN(x,y) a via of type N, cw(c..) or ccw(c..) an arc to the next point about the centre after c; other vN are vias at no path point)
+3.3V: C321.2 FB241.2 LDO3_3.1 U321.8 | length 22.1
  Top Layer w0.5: v6@-26.039,5.842 cw(c-26.284,6.416) -26.725,5.975 ; v6(-26,5.75) -26.5,5.75 -26.725,5.975 ; U321.8@-24.984,7.095 C321.2@-26.725,7.095 -26.725,5.975
  Top Layer w0.6: FB241.2@-27.75,3 v6(-26.625,3) v6(-26.625,3.75) v6(-26.625,4.5)
  Mid Layer 1 w0.7: v6(-26.625,3) -26.625,5.125 v6(-26,5.75)
  Mid Layer 2 w0.8: v6(-26.625,3) v6(-26.625,3.75) v6(-26.625,4.5) -26.625,5.125 v6(-26,5.75)
  Mid Layer 3 w0.7: v6(-26.625,3) -26.625,5.125 v6(-26,5.75)
  Mid Layer 4 w0.7: v6(-26.625,3) -26.625,5.125 v6(-26,5.75)
  Bottom Layer w0.7: v6(-26.625,3) -26.625,5.125 v6(-26,5.75)
+5V: C351.1 C353.1 C354.1 C356.1 C357.1 C359.1 C451.1 CN01.2 FB211.2 U301.5 U301.7 U311.5 U311.7 U331.5 U331.7 U451.3 V5C.1 | length 96.8
  Top Layer w0.25: C356.1@-15.125,28.175 U311.7@-13.3,28.175 ; C359.1@-15.125,32.675 U331.7@-13.3,32.675 ; v3@-14.803,33.8 cw(c-14.379,33.376) -14.379,33.975 ; v3(-14.75,33.746) -14.522,33.975 U331.5@-13.3,33.975 ; -14.7,23.675 U301.7@-13.3,23.675 ; v3@-14.626,33.623 cw(c-13.776,32.772) U331.5@-13.776,33.975 ; v6@-13.459,25.591 cw(c-13.843,25.207) -13.3,25.207 cw(c-12.757,25.207) v6@-13.141,25.591 ; v6@-13.459,30.091 cw(c-13.843,29.707) -13.3,29.707 cw(c-12.757,29.707) v6@-13.141,30.091 ; U301.5@-13.3,24.975 v6(-13.3,25.75) ; U311.5@-13.3,29.475 v6(-13.3,30.25)
  Top Layer w0.4: C353.1@-15.125,23.675 C356.1@-15.125,28.175 C359.1@-15.125,32.675 ; v3(-14.05,11) U451.3@-14.05,12.9
  Top Layer w0.5: v6(-15.125,22) C353.1@-15.125,23.675 ; C359.1@-15.125,32.675 -15.125,33.371 v3(-14.75,33.746) ; C359.1@-15.125,32.72 cw(c-13.724,32.72) v3@-14.715,33.711 ; -15.125,33.216 cw(c-14.632,33.216) v3@-14.739,33.698
  Top Layer w1: -27.5,-6.5 -26.75,-6.5 v3(-26.625,-6.375) ; v3@-26.825,-7 cw(c-25.799,-7) v3@-26.524,-6.274 ; v3@-26.82,-7.043 cw(c-26.113,-6.887) v3(-26.625,-6.375) ; V5C.1@-25,-5.75 -26,-5.75 v3(-26.625,-6.375)
  Mid Layer 1 w0.7: v3(-26.625,-7.625) v3(-26.625,-6.375)
  Mid Layer 2 w0.5: -15.225,33.271 v3(-14.75,33.746)
  Mid Layer 2 w0.8: -15.25,25.75 -15.225,25.75 v6(-13.3,25.75) ; -15.225,30.25 v6(-13.3,30.25)
  Mid Layer 2 w1: v3(-26.625,-7.625) v3(-26.625,-7) v3(-26.625,-6.375) -21.75,-1.5 -21.75,6.25 -21.25,6.75 -14.75,6.75 -14.05,7.45 v3(-14.05,11) -13,12.05 -13,19.25 -15.225,21.475 -15.225,25.75 -15.225,30.25 -15.225,33.271
  Mid Layer 3 w0.7: v3(-26.625,-7.625) v3(-26.625,-6.375)
  Mid Layer 4 w0.7: v3(-26.625,-7.625) v3(-26.625,-6.375)
  Bottom Layer w0.4: v3@-14.105,11.083 ccw(c-14.286,11.354) -13.967,11.29 ; v3@-14.025,11 C451.1@-13.85,11.875
  Bottom Layer w0.5: v3(-14.75,33.746) C357.1@-13.3,33.65 ; C351.1@-13.3,24.65 v6(-13.3,25.75) ; C354.1@-13.3,29.15 v6(-13.3,30.25)
  Bottom Layer w0.7: v3(-26.625,-7.625) v3(-26.625,-6.375)
  other v3: -24,3.875 -23.25,3.875 -24,4.625 -23.25,4.625
+12V: C213.2 C402.1 C405.1 R214.1 R418.2 U210.16 U210.17 U210.18 U210.19 U210.20 U210.21 U210.22 U210.23 U210.EP2 U401.1 V12G.1 | length 64.9
  Top Layer w0.25: v3(-9.25,10.5) R418.2@-9.25,11.125 ; U401.1@-3.8,19.725 v4@-3.8,20.375
  Mid Layer 1 w1: v4(-3.85,20.375) v4(-3.3,20.375)
  Mid Layer 2 w0.5: -10.625,10.5 v3(-9.25,10.5)
  Mid Layer 2 w1: v4@-9.625,-10.5 -9.625,2.75 cw(c-7.814,2.75) -9.095,4.03 ccw(c-10.229,5.164) -8.625,5.164 -8.625,7 -10.625,9 -10.625,10.5 -10.625,19.25 -9.5,20.375 v4(-3.85,20.375) v4(-3.3,20.375)
  Mid Layer 3 w1: v4(-3.85,20.375) v4(-3.3,20.375)
  Mid Layer 4 w1: v4(-3.85,20.375) v4(-3.3,20.375)
  Bottom Layer w0.5: R214.1@-9.4,-15.5 v4(-9.4,-11) ; v3(-9.25,10.5) -10.5,11.75 -10.5,19 -9.5,20 -3.85,20 v4(-3.85,20.375)
  Bottom Layer w0.6: v4@-3.8,20.375 C402.1@-3.8,21.375
  other v4: -10.4,-11 -9.9,-10.5 -10.4,-10 -9.4,-10
/FLT: /FLT.1 C404.2 CN01.4 R402.2 U401.8 | length 34.3
  Top Layer w0.25: v6(-10.75,4) -10.25,4.5 -10.25,14.75 -9.825,15.175 U401.8@-3.8,15.175
  Top Layer w0.5: /FLT.1@-25,2.58 CN01.4@-21.95,2.58 v3(-20.25,2.58)
  Bottom Layer w0.25: v3(-20.25,2.58) -19.5,3.33 -11.42,3.33 v6(-10.75,4)
  Bottom Layer w0.5: R402.2@-24.5,2.605 v3(-23.75,2.6) C404.2@-22.625,2.6
AGND: C321.1 C322.2 C323.2 CN01.16 L102.1 RT301.1 U321.5 | length 125.2
  Top Layer w0.4: C323.2@-28.125,9.635 v4(-28.125,10.905) U321.5@-24.984,10.905 ; C321.1@-28.025,7.095 C322.2@-28.025,8.365 C323.2@-28.025,9.635
  Top Layer w0.5: v3(-23.75,-5.04) CN01.16@-21.95,-5.04 v3(-20.25,-5.04) ; v4(19.75,22.875) RT301.1@19.75,23.875
  Mid Layer 1 w0.25: v3@-20.425,-5.04 ccw(c-20.847,-5.04) -20.549,-4.741 ccw(c-20.25,-4.443) v3@-20.25,-4.865 ; v3(-20.25,-5.04) -22.5,-2.79 -22.5,5.375 -21.25,6.625 -21.25,10.25 -17.25,14.25 -15.625,14.25 -13.5,16.375 -13.5,18.5 -16.375,21.375 -16.375,30.875 -12.841,34.409 cw(c-9,30.568) -9,36 6.082,36 7.75,34.332 7.75,24.625 8.875,23.5 19.125,23.5 v4(19.75,22.875) v4@19.73,22.878 ; v4@19.575,22.875 ccw(c19.153,22.875) 19.451,23.174 ccw(c19.75,23.472) v4@19.75,23.05
  Mid Layer 3 w0.5: v4(-28.125,10.905) -27.625,10.405 -27.625,-2.582 -25.167,-5.04 v3(-23.75,-5.04)
  Bottom Layer w0.5: v3(-23.75,-5.04) L102.1@-22,-5.875
AI_BRK_CUR: C322.1 CN01.20 S_BRK.1 U321.7 | length 25.7
  Top Layer w0.25: C322.1@-26.725,8.365 U321.7@-24.984,8.365 ; U321.7@-25.073,8.277 ccw(c-25.286,8.063) -25.286,8.365 ccw(c-25.286,8.667) U321.7@-25.073,8.453
  Top Layer w0.5: S_BRK.1@-25,-7.58 v3(-23.75,-7.58) CN01.20@-21.95,-7.58 ; U321.7@-24.984,8.365 v3(-23.125,8.365)
  Mid Layer 1 w0.25: v3@-23.925,-7.58 ccw(c-24.347,-7.58) -24.049,-7.281 ccw(c-23.75,-6.983) v3@-23.75,-7.405 ; v3(-23.75,-7.58) -25,-6.33 -25,6.49 v3(-23.125,8.365) ; v3@-23.3,8.365 cw(c-23.722,8.365) -23.424,8.066 cw(c-23.125,7.768) v3@-23.125,8.19
AI_MOS: CN01.19 RT301.2 | length 102
  Top Layer w0.5: CN01.19@-18.05,-7.58 v3(-16.25,-7.58) ; v4(20.75,22.875) RT301.2@20.75,23.875
  Mid Layer 1 w0.25: v3@-16.425,-7.58 ccw(c-16.847,-7.58) -16.549,-7.281 ccw(c-16.25,-6.983) v3@-16.25,-7.405 ; v3(-16.25,-7.58) -17.625,-6.205 -17.625,-5 -18.875,-3.75 -20.875,-3.75 -22,-2.625 -22,5.125 -20.75,6.375 -20.75,10 -17,13.75 -15.375,13.75 -13,16.125 -13,18.75 -15.875,21.625 -15.875,30.625 -12.414,34.086 cw(c-9,30.672) -9,35.5 5.875,35.5 7.25,34.125 7.25,24.375 8.625,23 18.25,23 19.125,22.125 20.5,22.125 20.75,22.375 v4(20.75,22.875) ; v4@20.626,22.751 cw(c20.328,22.453) 20.75,22.453 cw(c21.172,22.453) v4@20.874,22.751
AI_Vcon: CN01.18 R345.2 | length 39.3
  Top Layer w0.25: CN01.18@-21.95,-6.31 -20.94,-6.31 -20,-7.25 -20,-8.125 -19.75,-8.375 v3(-12.875,-8.375) ; v3@-12.999,-8.499 ccw(c-13.297,-8.797) -13.297,-8.375 ccw(c-13.297,-7.953) v3@-12.999,-8.251
  Top Layer w0.5: v3(-8.75,-27.45) R345.2@-7.5,-27.45
  Mid Layer 1 w0.25: v3(-12.875,-8.375) -8.5,-8.375 -6,-10.875 -6,-24.7 v3(-8.75,-27.45) ; v3@-12.751,-8.499 cw(c-12.453,-8.797) -12.453,-8.375 cw(c-12.453,-7.953) v3@-12.751,-8.251 ; v3@-8.75,-27.275 ccw(c-8.75,-26.852) -8.451,-27.151 ccw(c-8.153,-27.45) v3@-8.575,-27.45
AI_Vdc: CN01.17 R335.2 S_Vdc.1 | length 38.4
  Top Layer w0.5: CN01.17@-18.05,-6.31 v3(-14,-6.31) S_Vdc.1@-12.5,-6.31 ; R335.2@4.45,-22.375 v3(4.45,-21.375)
  Mid Layer 1 w0.25: v3@-14,-6.485 cw(c-14,-6.907) -13.701,-6.609 cw(c-13.403,-6.31) v3@-13.825,-6.31 ; v3(-14,-6.31) -12.685,-7.625 -8.375,-7.625 -5.5,-10.5 -5.5,-20.5 -4.625,-21.375 v3(4.45,-21.375) ; v3@4.326,-21.499 ccw(c4.028,-21.797) 4.028,-21.375 ccw(c4.028,-20.953) v3@4.326,-21.251
BRK+: BRK+.1 C452.2 D451.2 D453.2 F141.2
  other v1: -24.75,16 -23.875,16 -23,16
BRK-: BRK-.1 BRK.2 U321.1 U321.2 | length 61.5
  Mid Layer 3 w0.5: v1(-16.75,8.25) v1(-15.75,8.25) -14.75,7.25 -11.25,7.25 -8.625,4.625 -8.625,-3.875 -4.125,-8.375 13.138,-8.375 16.763,-4.75 24.25,-4.75 25.5,-3.5 BRK.2@28,-3.5 ; BRK.2@27.47,-4.03 ccw(c26.189,-5.311) 26.189,-3.5 ccw(c26.189,-1.689) BRK.2@27.47,-2.97
BRKout: D453.1 Q451.5 Q451.6 Q451.7 Q451.8 U321.3 U321.4